# Altium PCB TC364_MainBoard_PCB_V2.0.PcbDoc (part 1 of 2)
Units mm, origin at the board's own origin, x right, y up, seen from the top; angles counter-clockwise.
Board outline 115 x 100 mm, 4 copper layers (Top Layer, GND02, POW03, Bottom Layer); 79 components, 71 nets, 301 pads, 95 vias.
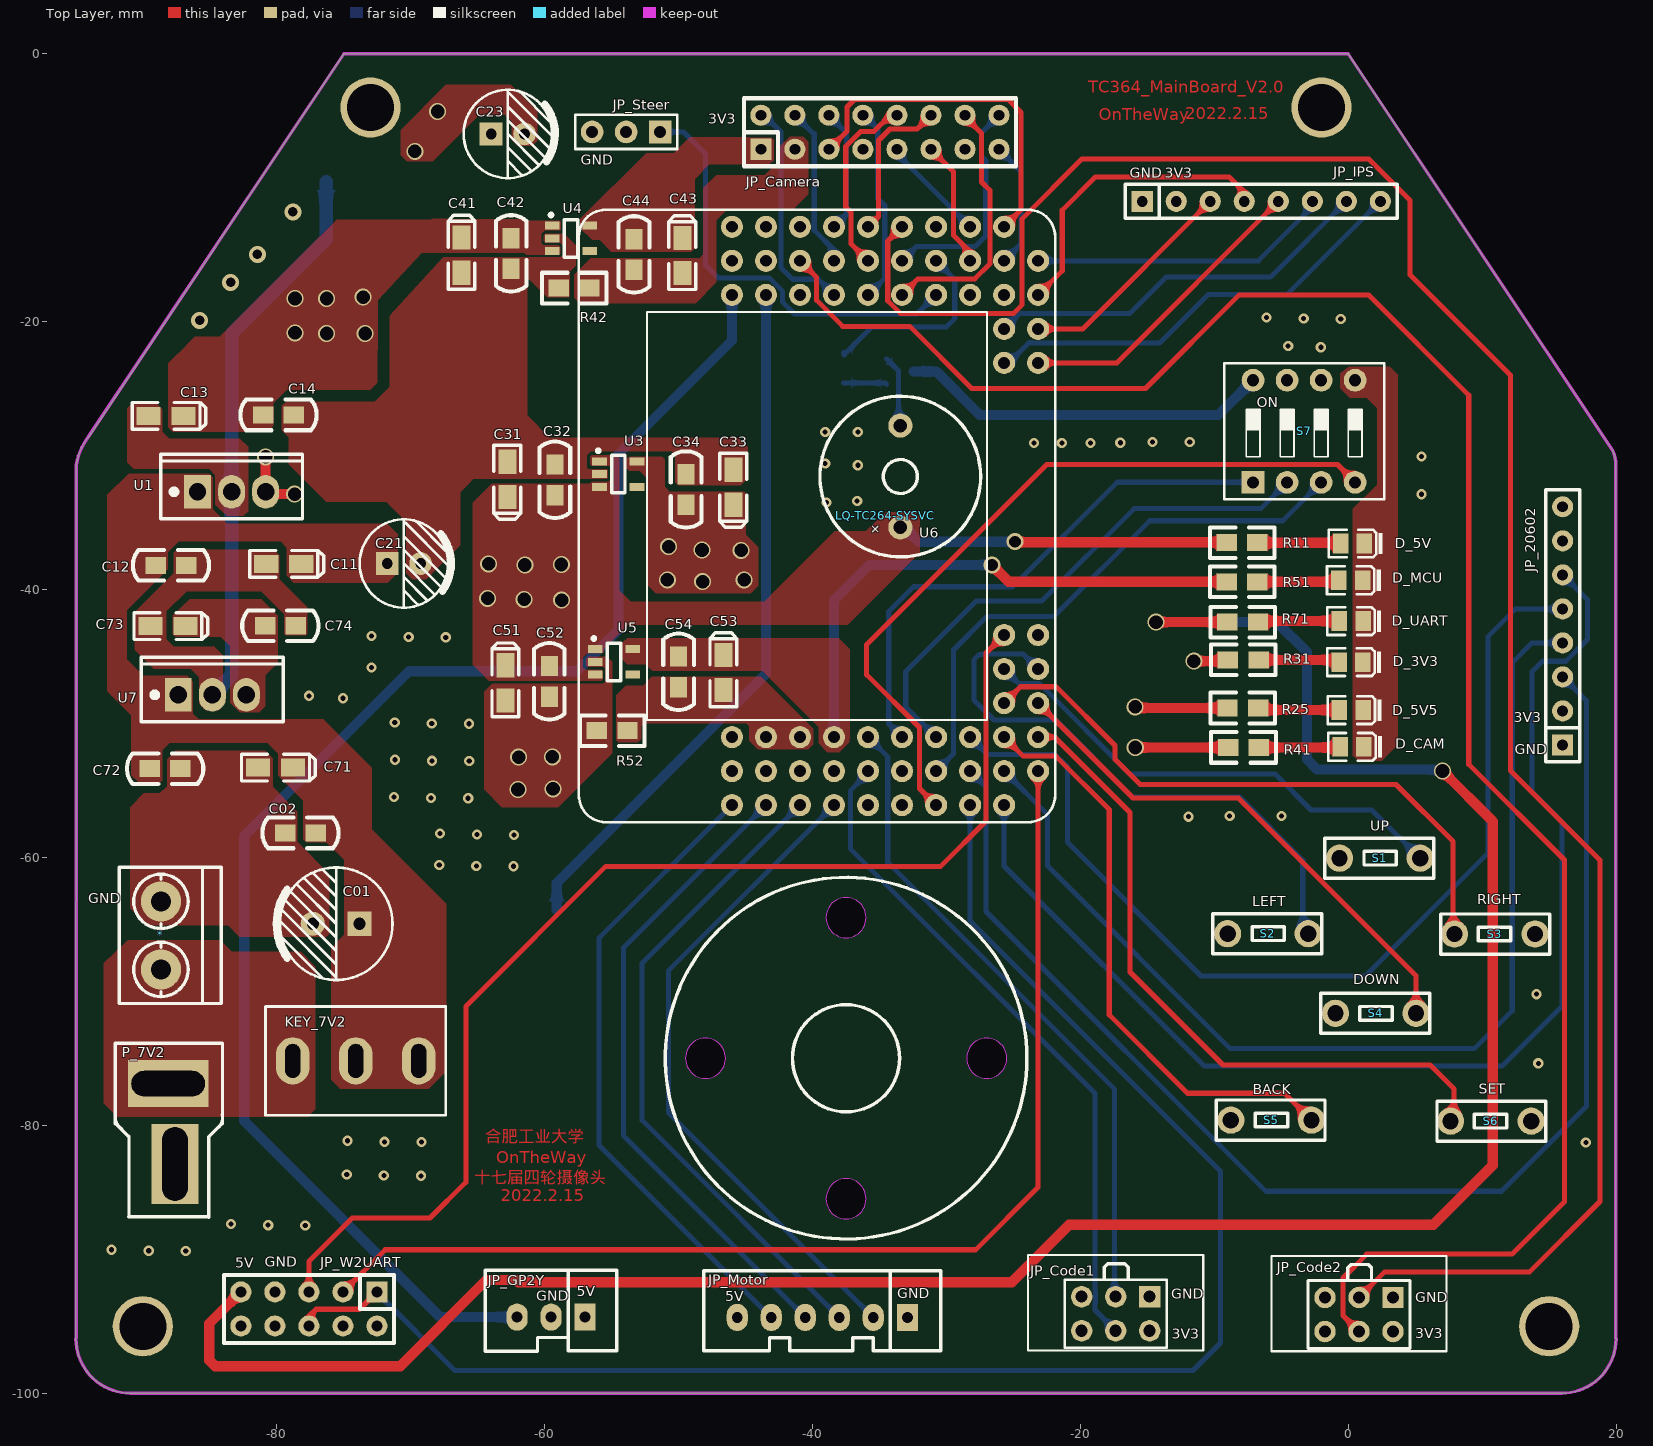
[diagram p0: Top Layer view]
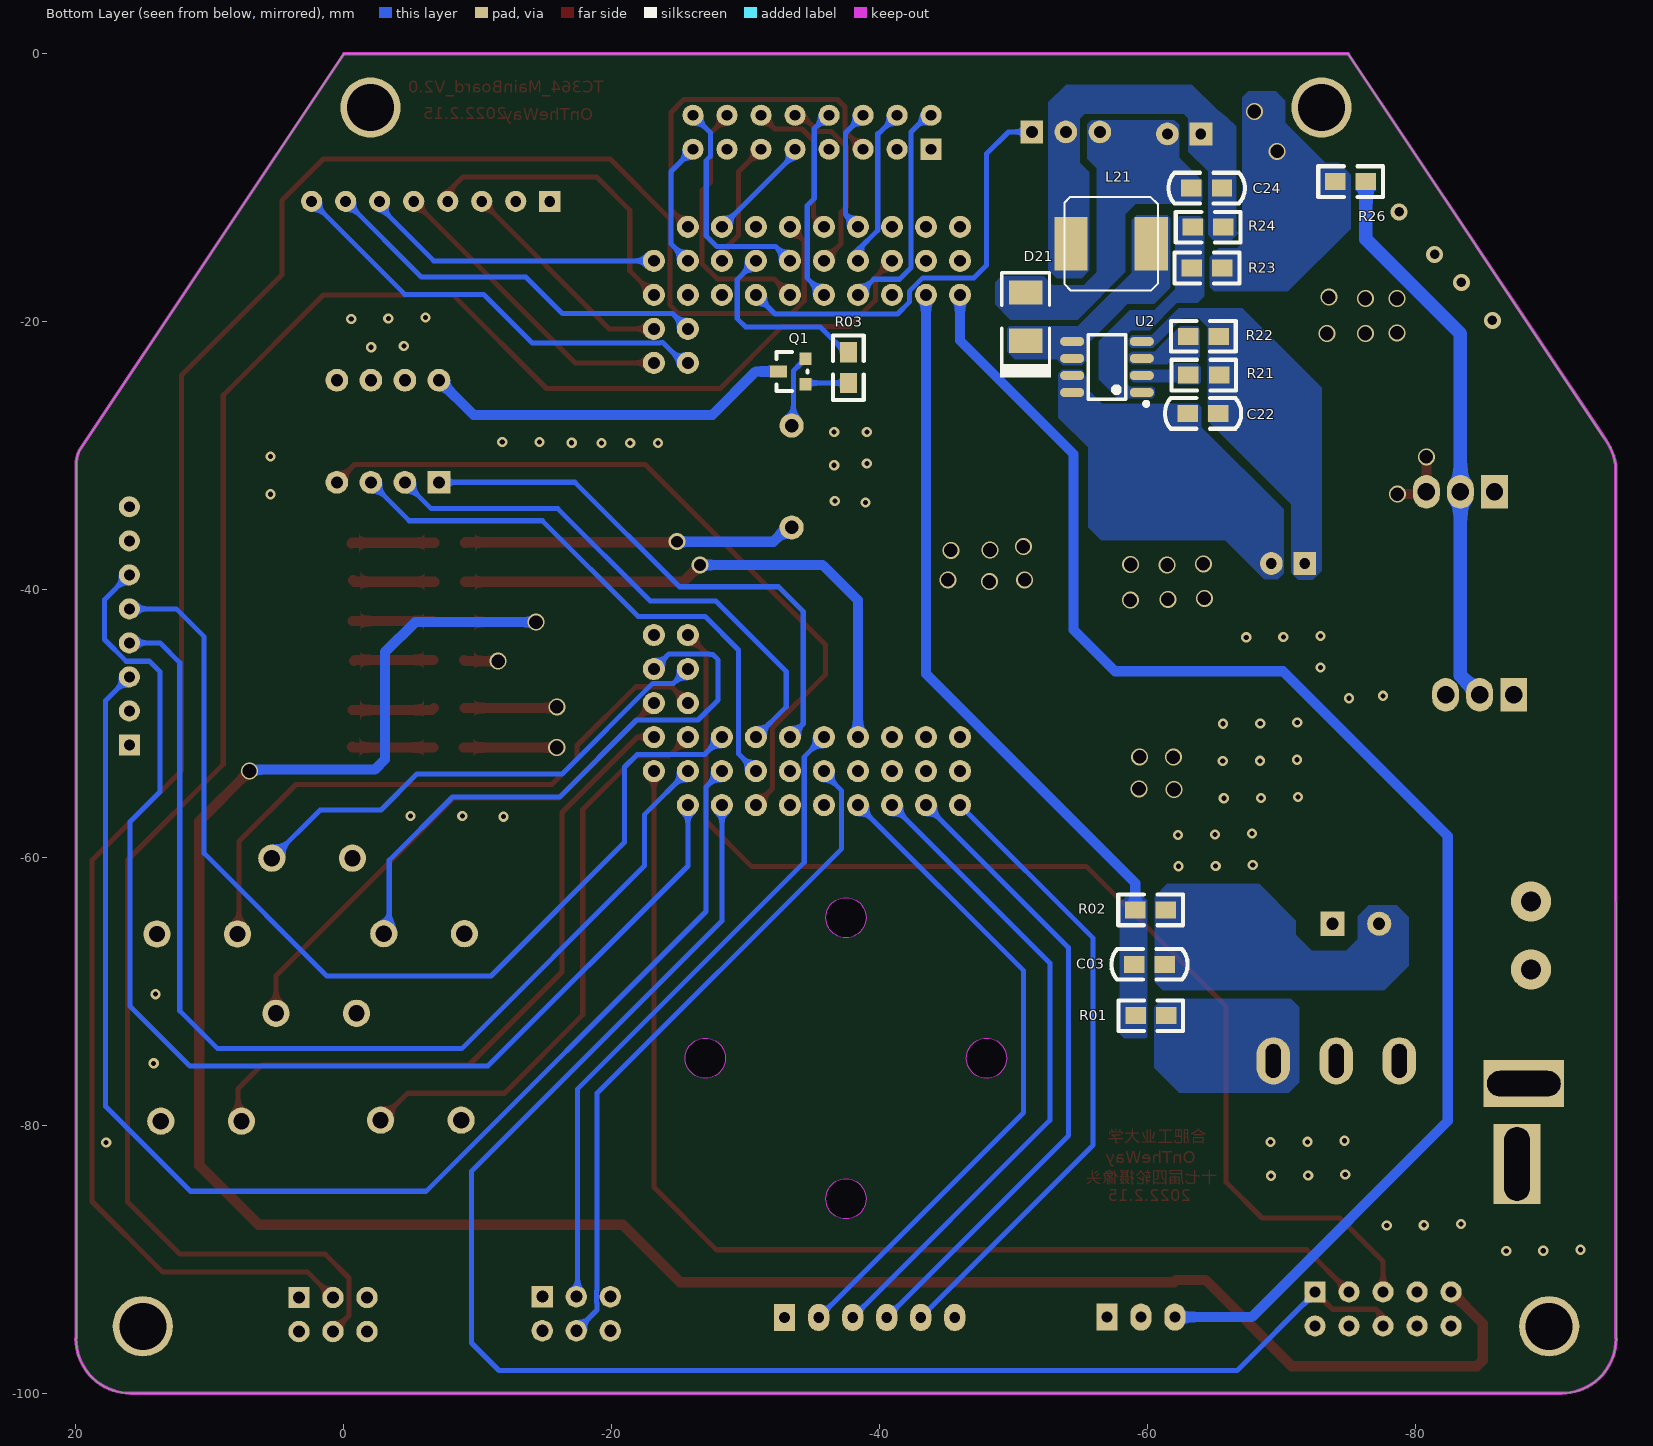
[diagram p1: Bottom Layer view, seen from below]
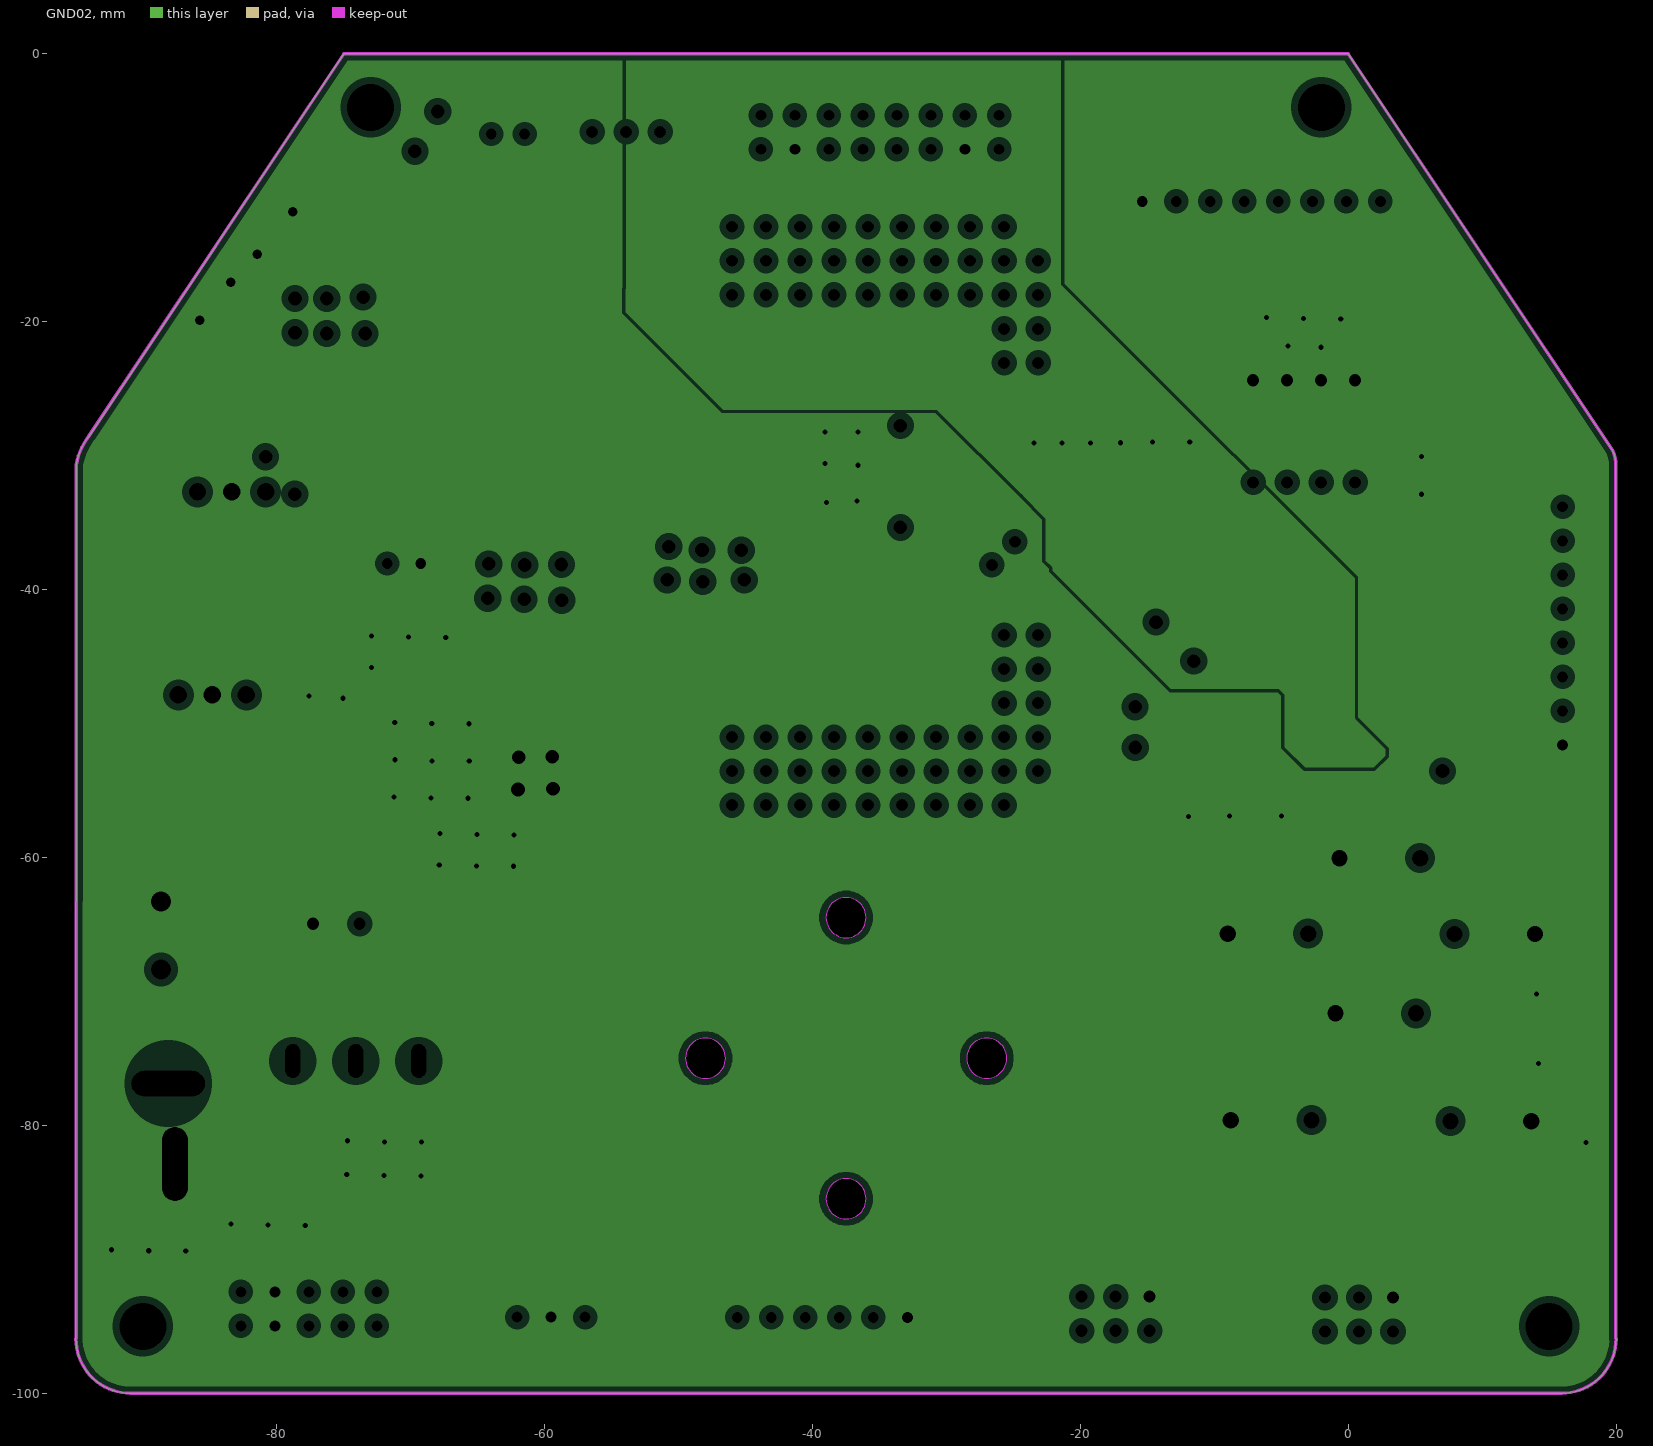
[diagram p2: GND02, clearances drawn from the general rule]
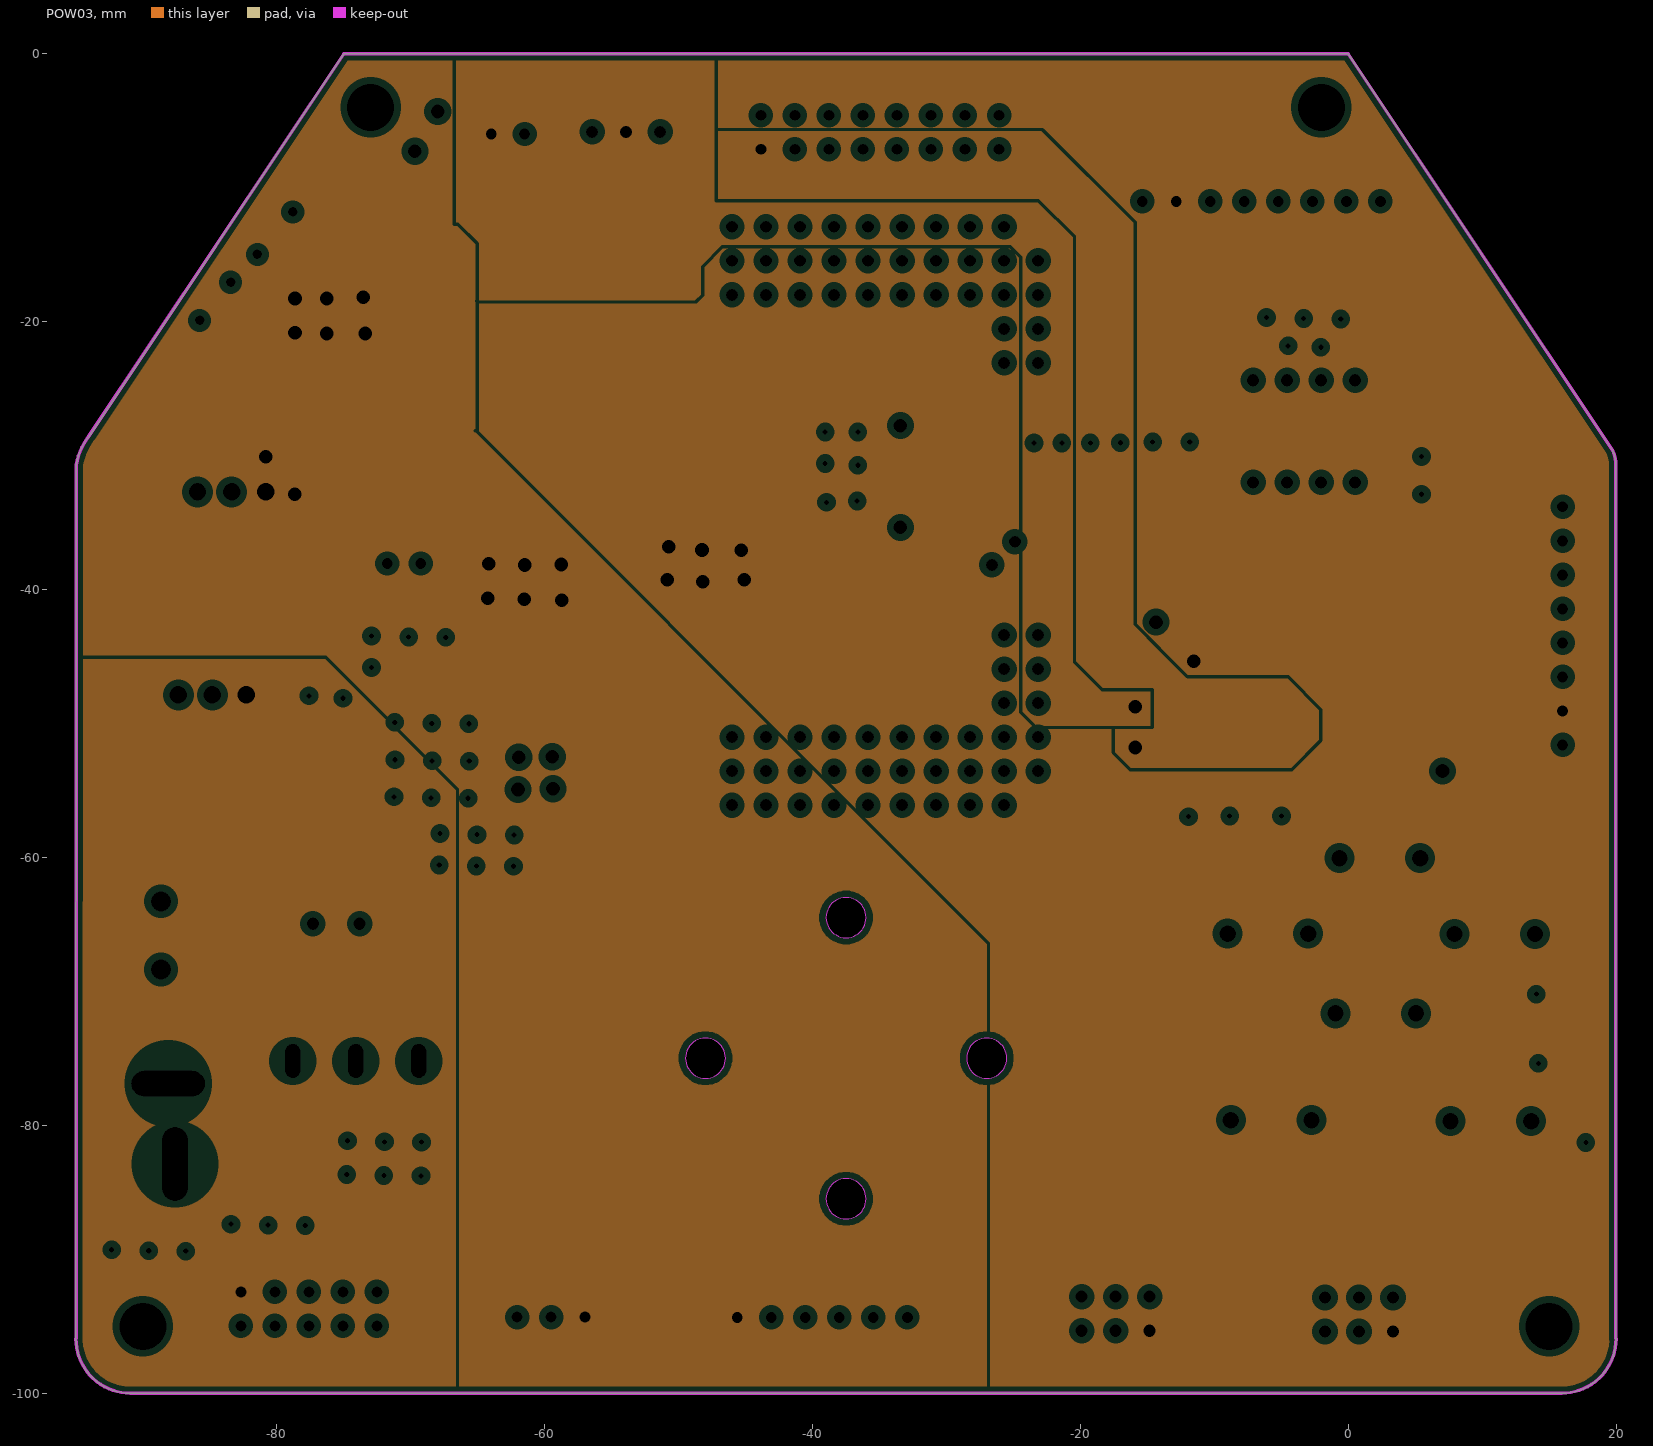
[diagram p3: POW03, clearances drawn from the general rule]

## Layer stack, top to bottom
Top Solder: solder mask 0.0102, Solder Resist, Dk 3.5
Top Layer: signal copper 0.0356
Dielectric 1: dielectric 0.32, FR-4, Dk 4.8
GND02: plane copper 0.0356, net (Multiple Nets)
Dielectric2: dielectric 0.32, FR-4, Dk 4.8
POW03: plane copper 0.0356, net (Multiple Nets)
Dielectric3: dielectric 0.32, FR-4, Dk 4.8
Bottom Layer: signal copper 0.0356
Bottom Solder: solder mask 0.0102, Solder Resist, Dk 3.5

## Board outline
-95,-95.936 ccw(c-90.936,-95.936) -90.936,-100 15.936,-100 ccw(c15.936,-95.936) 20,-95.936 19.981,-95.917 19.981,-31.06 ccw(c16.679,-30.842) 19.766,-29.65 0,0 -75,0 -94.009,-28.514 ccw(c-90.066,-31.588) -94.983,-30.681
cut-out: -38.994,-85.489 ccw(c-37.494,-85.489) -37.494,-86.989 ccw(c-37.494,-85.489) -35.994,-85.489 ccw(c-37.494,-85.489) -37.494,-83.989 ccw(c-37.494,-85.489)
cut-out: -28.494,-74.989 ccw(c-26.994,-74.989) -26.994,-76.489 ccw(c-26.994,-74.989) -25.494,-74.989 ccw(c-26.994,-74.989) -26.994,-73.489 ccw(c-26.994,-74.989)
cut-out: -38.994,-64.489 ccw(c-37.494,-64.489) -37.494,-65.989 ccw(c-37.494,-64.489) -35.994,-64.489 ccw(c-37.494,-64.489) -37.494,-62.989 ccw(c-37.494,-64.489)
cut-out: -47.994,-76.489 ccw(c-47.994,-74.989) -46.494,-74.989 ccw(c-47.994,-74.989) -47.994,-73.489 ccw(c-47.994,-74.989) -49.494,-74.989 ccw(c-47.994,-74.989)

## Design rules (kind name [scope] priority, off if disabled: settings)
Clearance [All] p1: gap=0.051 ignorepadtopadclearanceinfootprint=FALSE
ComponentClearance [All] p1 off: gap=0.254 collisioncheckmode=3 verticalgap=0.254 showdistances=FALSE
HoleSize [All] p1 off: absolutevalues=TRUE maxlimit=2.54 minlimit=0.025 maxpercent=80.000 minpercent=20.000
MinimumSolderMaskSliver [All] p1: minsoldermaskwidth=0.051
PlaneClearance [All] p1: clearance=0.508
PlaneConnect [All] p1: planeconnectstyle=Direct reliefexpansion=0.508 reliefentries=4 reliefconductorwidth=0.254 reliefairgap=0.254
PolygonConnect [All] p1: connectstyle=Direct reliefconductorwidth=0.254 reliefentries=4 polygonreliefangle="90 Angle" airgapwidth=0.254
RoutingVias [All] p1: holewidth=0.711 width=1.27 viastyle="Through Hole" minholewidth=0.711 minwidth=1.27 maxholewidth=0.711 maxwidth=1.27
SilkToSilkClearance [All] p1 off: silktosilkclearance=0.254
SilkToSolderMaskClearance [IsPad] p1 off: minsilkscreentomaskgap=0.254 clearancetoexposedcopper=TRUE
SolderMaskExpansion [All] p1: expansion=0.102
Width [All] p1: maxlimit=1.27 minlimit=0.254 preferedwidth=0.254
23 further rules are at their usual default settings.

## Classes and differential pairs
component class TC364_MainBoard_Core_V1.2: LQ-TC264-SYSVC
component class TC364_MainBoard_Power_V1.2: * C01 C02 C11 C12 C13 C14 C21 C22 C23 C24 C31 C32 C33 C34 C41 C42 C43 C44 C51 C52 C53 C54 C71 C72 C73 C74 D21 D_3V3 D_5V D_5V5 D_CAM D_MCU D_UART KEY_7V2 L21 P_7V2 R11 R21 R22 R23 R24 R25 R26 R31 R41 R42 R51 R52 R71 U1 U2 U3 U4 U5 U7
component class TC364_MainBoard_Singal_V1.2: C03 JP_20602 JP_Camera JP_Code1 JP_Code2 JP_GP2Y JP_IPS JP_Motor JP_Steer JP_W2UART LEFT Q1 R01 R02 R03 S1 S2 S3 S4 S5 S6 S7 U6 UP

## Components (designator, comment, footprint, x,y, rotation, side; value= is the part's Value field where it differs from the comment)
* "KCF301" KF301-2P -88.65,-65.819 r0 top
C01 "680uF/16V" "CAP 3.5*8*11.5 - GD" -88.46,-68.648 r0 top
C02 "0.1uF" 0805C -77.089,-58.166 r180 top
C03 "0.1uF" 0805C -59.019,-67.978 r180 bottom
C11 "10uF/16V" CASE-A_3216 -79.481,-38.082 r0 top
C12 "0.1uF" 0805C -89.042,-38.184 r0 top
C13 "10uF/16V" CASE-A_3216 -88.269,-27.033 r0 top
C14 "0.1uF" 0805C -81.016,-26.957 r0 top
C21 "330uF/16V" "CAP 2.5*6.3*11.2 - BK" -70.51,-38.049 r0 top
C22 "0.1uF" 0805C -65.303,-26.848 r0 bottom
C23 "330uF/16V" "CAP 2.5*6.3*11.2 - BK" -62.748,-5.977 r0 top
C24 "0.1uF" 0805C -65.573,-10.015 r0 bottom
C31 "10uF/16V" CASE-A_3216 -62.789,-31.765 r270 top
C32 "0.1uF" 0805C -59.233,-32.944 r90 top
C33 "10uF/16V" CASE-A_3216 -45.913,-32.357 r270 top
C34 "0.1uF" 0805C -49.444,-33.663 r90 top
C41 "10uF/16V" CASE-A_3216 -66.208,-15.03 r90 top
C42 "0.1uF" 0805C -62.499,-13.749 r270 top
C43 "10uF/16V" CASE-A_3216 -49.723,-15.055 r90 top
C44 "0.1uF" 0805C -53.33,-13.825 r270 top
C51 "10uF/16V" CASE-A_3216 -62.931,-46.958 r90 top
C52 "0.1uF" 0805C -59.654,-45.702 r270 top
C53 "10uF/16V" CASE-A_3216 -46.65,-46.196 r90 top
C54 "0.1uF" 0805C -50.002,-44.991 r270 top
C71 "10uF/16V" CASE-A_3216 -80.097,-53.289 r0 top
C72 "0.1uF" 0805C -89.484,-53.365 r0 top
C73 "10uF/16V" CASE-A_3216 -88.127,-42.723 r0 top
C74 "0.1uF" 0805C -80.874,-42.697 r0 top
D21 "SS54" SMA -50.917,-17.82 r270 bottom
D_3V3 "LED" 0805_LED_S1 0.203,-45.415 r180 top
D_5V "LED" 0805_LED_S1 0.314,-36.558 r180 top
D_5V5 "LED" 0805_LED_S1 0.23,-48.992 r180 top
D_CAM "LED" 0805_LED_S1 0.282,-51.735 r180 top
D_MCU "LED" 0805_LED_S1 0.183,-39.302 r180 top
D_UART "LED" 0805_LED_S1 0.214,-42.35 r180 top
JP_20602 "HDR-1X7" SIP8 16.012,-51.595 r90 top
JP_Camera "HEADER 8X2" "IDC16-JLC - duplicate" -43.856,-7.12 r0 top
JP_Code1 "Header3X2" HDR2.54-LI-2x3P -17.363,-94.066 r180 top
JP_Code2 "Header3X2" HDR2.54-LI-2x3P 0.804,-94.127 r180 top
JP_GP2Y "HDR-1X3" SIP3N -56.976,-94.318 r180 top
JP_IPS "HDR-1X7" SIP8 -15.382,-11.006 r0 top
JP_Motor "HDR-1X6" SIP6N -32.922,-94.343 r180 top
JP_Steer "HDR-1X3" HDR2.54-LI-3P -53.914,-5.824 r180 top
JP_W2UART "HEADER 5X2" IDC10-JLC -72.521,-92.438 r180 top
KEY_7V2 "SS-12F23" KEY_7V2 -74.108,-75.192 r0 top
L21 "33uH" "7*7 L" -60.3,-14.173 r0 bottom
LQ-TC264-SYSVC "LQ-TC264-SYSVC" TC364V1.2 -56.175,-15.451 r0 top
P_7V2 "T_Type_Adapter" T_Type_Adapter -87.659,-81.643 r90 top
Q1 "PNP8550" PNP8550-SO -34.483,-24.671 r90 bottom
R01 "200K" 0805R -59.121,-71.814 r180 bottom
R02 "100K" 0805R -61.382,-63.914 r0 bottom
R03 "1K" 0805R -37.683,-22.284 r270 bottom
R11 "4.7K" 0805R -9.065,-36.495 r0 top
R21 "1K" 0805R -63.068,-23.978 r180 bottom
R22 "2.7K" 0805R -63.043,-21.082 r180 bottom
R23 "3.9K" 0805R -63.312,-15.984 r180 bottom
R24 "22K" 0805R -65.674,-12.936 r0 bottom
R25 "4.7K" 0805R -9.014,-48.839 r0 top
R26 "0" 0805R -74.031,-9.533 r180 bottom
R31 "4.7K" 0805R -8.981,-45.245 r0 top
R41 "4.7K" 0805R -8.963,-51.786 r0 top
R42 "0" 0805R -56.657,-17.483 r180 top
R51 "4.7K" 0805R -9.065,-39.416 r0 top
R52 "0" 0805R -53.812,-50.528 r180 top
R71 "4.7K" 0805R -9.021,-42.426 r0 top
S1 "SW-PB" KEY2-6X3 5.37,-60.053 r180 top
S2 "SW-PB" KEY2-6X3 -2.991,-65.692 r180 top
S3 "SW-PB" KEY2-6X3 7.935,-65.718 r0 top
S4 "SW-PB" KEY2-6X3 5.061,-71.636 r180 top
S5 "SW-PB" KEY2-6X3 -2.747,-79.611 r180 top
S6 "SW-PB" KEY2-6X3 7.641,-79.688 r0 top
S7 "SW-4P" "CSW DIP-4P" -3.292,-28.176 r0 top
U1 "SPX2940-5.0V" TO-220(TO-220-3) -83.378,-32.698 r0 top
U2 "AS1015" SOP-8_150mil -56.987,-23.376 r90 bottom
U3 "RT9013-3.3" SOT-23-5 -54.498,-31.377 r180 top
U4 "RT9013-3.3" SOT-23-5 -58.029,-13.775 r180 top
U5 "RT9013-3.3" SOT-23-5 -54.828,-45.398 r180 top
U6 "BUZ" BUZ -33.442,-31.555 r90 top
U7 "SPX2940-5.0V" TO-220(TO-220-3) -84.811,-47.854 r0 top

## Footprints (in the part's own frame and the unit in brackets; to place one, negate y for a bottom-side part, rotate by r counter-clockwise, add the part's x,y. Pads: shape width x height; smd on the part's side, far side on the other; paste and mask are expansions set on the pad)
"7*7 L" [mm]
  rect 2.5x4 smd: 1(0,0) 2(6,0)
  silkscreen extent -0.5,-3.5 6.5,3.5
0805_LED_S1 [mm]
  rect 1.16x1.47 smd: A(0.89,0) K(-0.89,0)
  silkscreen extent -2.24,-1.04 1.77,1.03, body extent -1.01,-0.62 1.01,0.62, height 1.1
0805C [mil]
  rect 60x50 smd: 1(0,0) 2(90,0)
  silkscreen extent -67,-45 157,45, body extent 6,-26 84,26, height 29
0805R [mil]
  rect 60x50 smd: 1(0,0) 2(90,0)
  silkscreen extent -50,-45 140,45, body extent 1,-26 91,28, height 30
BUZ [mm]
  round 1.8 hole 1: 1(-3.8,0) 2(3.8,0)
  silkscreen extent -6,-6 6,6
"CAP 2.5*6.3*11.2 - BK" [mm] "脚距2.5mm直径6.3mm高度11.2mm             淘宝ID:黄晶宝石"
  rect 1.7x1.7 hole 0.8: 1(-1.25,0)
  round 1.7 hole 0.8: 2(1.25,0)
  silkscreen extent -3.3,-3.3 3.56,3.3, body extent -3.15,-3.15 3.16,3.15, height 11.24
"CAP 3.5*8*11.5 - GD" [mm]
  rect 1.8x1.8 hole 0.9: 1(14.648,3.7)
  round 1.8 hole 0.9: 2(11.148,3.7)
  silkscreen extent 8.4,-0.5 17.1,7.9, body extent 8.89,-0.3 16.9,7.7, height 11.54
CASE-A_3216 [mm]
  rect 1.8x1.35 smd: 1(1.31,0) 2(-1.31,0)
  silkscreen extent -2.54,-1 2.97,1, body extent -1.7,-0.84 1.7,0.84, height 1.71
"CSW DIP-4P" [mm] "11.7*9.9*7mm"
  rect 1.7x1.7 hole 0.9: 1(-3.81,-3.81)
  round 1.7 hole 0.9: 2(-1.27,-3.81) 3(1.27,-3.81) 4(3.81,-3.81) 5(3.81,3.81) 6(1.27,3.81) 7(-1.27,3.81) 8(-3.81,3.81)
  silkscreen extent -5.97,-5.08 5.97,5.08, body extent -5.86,-4.95 5.86,4.95, height 6.65
HDR2.54-LI-2x3P [mm] "封装库来自淘宝卖家 ID：黄晶宝石"
  rect 1.6x1.6 hole 0.9: 1(-2.54,-1.27)
  round 1.6 hole 0.9: 2(-2.54,1.27) 3(0,-1.27) 4(0,1.27) 5(2.54,-1.27) 6(2.54,1.27)
  silkscreen extent -3.81,-2.54 3.81,2.54, body extent -3.81,-2.54 3.81,2.54, height 8.5
HDR2.54-LI-3P [mm] "排针，3脚"
  rect 1.7x1.7 hole 0.9: 1(-2.54,0)
  round 1.7 hole 0.9: 2(0,0) 3(2.54,0)
  silkscreen extent -3.81,-1.27 3.81,1.27, body extent -3.81,-1.27 3.81,1.27, height 8.5
IDC10-JLC [mil]
  rect 62x62 hole 32: 1(0,0)
  round 62 hole 32: 2(0,100) 3(100,0) 4(100,100) 5(200,0) 6(200,100) 7(300,0) 8(300,100) 9(400,0) 10(400,100)
  silkscreen extent -50,-50 450,150, body extent -53,-45 447,155, height 315
"IDC16-JLC - duplicate" [mil]
  rect 62x62 hole 32: 1(0,0)
  round 62 hole 32: 2(0,100) 3(100,0) 4(100,100) 5(200,0) 6(200,100) 7(300,0) 8(300,100) 9(400,0) 10(400,100) 11(500,0) 12(500,100) 13(600,0) 14(600,100) 15(700,0) 16(700,100)
  silkscreen extent -50,-50 750,150, body extent -50,-51 750,149, height 142
KEY2-6X3 [mil]
  round 80 hole 48: 1(0,0) 2(236.85,0)
  silkscreen extent -40,-59 280,59, body extent -37,-68 271,70, height 170
KEY_7V2 [mil]
  oval 99x138 hole 45 slot 100 at 90 deg: 1(-185.04,0) 2(0,0) 3(185.04,0)
  silkscreen extent -265,-160 265,160
KF301-2P [mm]
  round 3 hole 1.5: 1(0,-2.54) 2(0,2.54)
  silkscreen extent -3.1,-5.08 4.5,5.08
PNP8550-SO [mil]
  rect 36x36 smd: 1(0,0) 2(75,0)
  rect 36x50 smd: 3(38,80)
  silkscreen extent -20,-5 95,85, body extent -21,-8 97,90, height 42
SIP3N [mil]
  rect 62x80 hole 32: 1(0,0)
  oval 62x80 hole 32: 2(100,0) 3(200,0)
  silkscreen extent -93,-138 293,100, body extent -99,-128 297,96, height 277
SIP6N [mil]
  rect 62x80 hole 32: 1(0,0)
  oval 62x80 hole 32: 2(100,0) 3(200,0) 4(300,0) 5(400,0) 6(500,0)
  silkscreen extent -98,-138 598,98, body extent -99,-129 597,95, height 277
SIP8 [mil]
  rect 62x62 hole 32: 1(0,0)
  round 62 hole 32: 2(100,0) 3(200,0) 4(300,0) 5(400,0) 6(500,0) 7(600,0) 8(700,0)
  silkscreen extent -50,-50 750,50, body extent -50,-50 750,50, height 335
SMA [mm]
  rect 1.8x2.5 smd: 1(0,0) 2(3.6,0)
  silkscreen extent -1.47,-1.9 6.35,1.91
SOP-8_150mil [mm]
  oval 0.7x1.8 smd: 1(-1.905,-2.6) 2(-0.635,-2.6) 3(0.635,-2.6) 4(1.905,-2.6) 5(1.905,2.6) 6(0.635,2.6) 7(-0.635,2.6) 8(-1.905,2.6)
  silkscreen extent -2.9,-3.07 2.4,1.4, body extent -2.5,-3.1 2.5,3.1, height 1.75
SOT-23-5 [mm]
  rect 1.1x0.6 smd: 1(1.4,-0.95) 2(1.4,0) 3(1.4,0.95) 4(-1.4,0.95) 5(-1.4,-0.95)
  silkscreen extent -0.5,-1.87 1.62,1.4
T_Type_Adapter [mm]
  rect 6x3.5 hole 1.905 slot 5.49 at 0 deg: 1(-1.245,-0.051)
  rect 3.5x6 hole 1.905 slot 5.49 at 90 deg: 2(4.755,0.449)
  silkscreen extent -5.21,-3.61 7.77,4.42
TC364V1.2 [mm]
  round 1.65 hole 0.88 mask+0.102: 35(10.16,-40.64) 38(12.7,-40.64) 41(15.24,-40.64) 44(17.78,-40.64) 47(20.32,-40.64) 50(22.86,-40.64) 53(25.4,-40.64) 56(27.94,-40.64) 59(30.48,-40.64) 92(30.48,2.54) 95(27.94,2.54) 98(25.4,2.54) 101(22.86,2.54) 104(20.32,2.54) 107(17.78,2.54) 110(15.24,2.54) 113(12.7,2.54) 116(10.16,2.54)
  round 1.65 hole 0.88: 36(10.16,-38.1) 37(10.16,-35.56) 39(12.7,-38.1) 40(12.7,-35.56) 42(15.24,-38.1) 43(15.24,-35.56) 45(17.78,-38.1) 46(17.78,-35.56) 48(20.32,-38.1) 49(20.32,-35.56) 51(22.86,-38.1) 52(22.86,-35.56) 54(25.4,-38.1) 55(25.4,-35.56) 57(27.94,-38.1) 58(27.94,-35.56) 60(30.48,-38.1) 61(30.48,-35.56) 62(33.02,-38.1) 63(33.02,-35.56) 64(33.02,-33.02) 65(30.48,-33.02) 66(33.02,-30.48) 67(30.48,-30.48) 68(33.02,-27.94) 69(30.48,-27.94) 84(33.02,-7.62) 85(30.48,-7.62) 86(33.02,-5.08) 87(30.48,-5.08) 88(33.02,-2.54) 89(33.02,0) 90(30.48,-2.54) 91(30.48,0) 93(27.94,-2.54) 94(27.94,0) 96(25.4,-2.54) 97(25.4,0) 99(22.86,-2.54) 100(22.86,0) 102(20.32,-2.54) 103(20.32,0) 105(17.78,-2.54) 106(17.78,0) 108(15.24,-2.54) 109(15.24,0) 111(12.7,-2.54) 112(12.7,0) 114(10.16,-2.54) 115(10.16,0)
  silkscreen extent -1.27,-41.91 34.29,3.81
TO-220(TO-220-3) [mm]
  rect 2x2.5 hole 1.3: 1(-2.54,0)
  oval 2x2.5 hole 1.3: 2(0,0) 3(2.54,0)
  silkscreen extent -5.3,-2 5.3,2.8, body extent -5.08,-1.45 5.08,2.9, height 19.6

## Part data
C01 C11 C13 C21 C23 C31 C33 C41 C43 C51 C53 C71 C73: library part "Cap Pol1", "Polarized Capacitor (Radial)", LatestRevisionDate=17-Jul-2002, LatestRevisionNote="Re-released for DXP Platform.", PackageDescription="Polarized Capacitor (Radial); 2 Leads", PackageReference=RB7.6-15, Published=8-Jun-2000, Publisher="Altium Limited"
C02 C03 C12 C14 C22 C24 C32 C34 C42 C44 C52 C54 C72 C74: library part CAP, "Capacitor"
D21: library part SS34, "肖特基二极管", BOM名称=肖特基二极管, 封装库来自淘宝 ID：黄晶宝石=https://shop463601444.taobao.com, 属性=40V/3A
D_3V3 D_5V D_5V5 D_CAM D_MCU D_UART: "发光二极管"
JP_20602 JP_IPS: library part "HEADER 8", "8 Pin Header"
JP_Code1 JP_Code2: library part "Header 3X2", "3*2P接插件"
JP_GP2Y JP_Steer: library part "Header 3", "3P接插件", BOM名称=3P接插件, 学习资源=https://shop463601444.taobao.com, 版权归属="封装库来自淘宝 ID：黄晶宝石"
JP_Motor: library part "HEADER 6"
KEY_7V2: library part SSW-1P, "1路波动开关", BOM名称=波动开关, 学习资源=www.ooocke.com, 版权归属="封装库来自淘宝 ID：黄晶宝石"
L21: library part L-CDRH, "功率屏蔽电感", BOM名称=功率屏蔽电感, 版权归属="封装库来自淘宝 ID：黄晶宝石", 联系售后=https://shop463601444.taobao.com
Q1: library part PNP, "PNP Transistor"
R01 R02 R03 R11 R25 R26 R31 R41 R42 R51 R52 R71: library part RES
R21 R22 R23 R24: library part RES, "贴片电阻", BOM名称=贴片电阻, 学习资源=www.ooocke.com, 版权归属=源创客
S1 S2 S3 S4 S5 S6: "按键"
S7: "4路编码开关", BOM名称=4路编码开关, 学习资源=https://shop463601444.taobao.com, 淘宝ID="封装库来自淘宝 ID：黄晶宝石"
U1 U7: library part LM2940, "5V稳压芯片", BOM名称=5V稳压芯片, 版权归属="封装库来自淘宝 ID：黄晶宝石", 联系售后=www.ooocke.com
U2: "可调升压芯片"
U6: library part BELL, "Bell"

## Free pads (board coordinates)
  round 4.5 hole 3.5: 2(-90,-95.008) 2(-73,-4) 2(-2,-4) 2(15,-95.008)

## Via types
v1: diameter 0.762, hole 0.381, Top Layer to Bottom Layer, 58 vias
v2: diameter 1.27, hole 1.016, Top Layer to Bottom Layer, 31 vias
v3: diameter 1.27, hole 0.711, Top Layer to Bottom Layer, 4 vias
v4: diameter 1.27, hole 0.889, Top Layer to Bottom Layer, 2 vias
